# Altium PCB DIOT_Kasli_Adapter.PcbDoc (part 1 of 10) (continued)
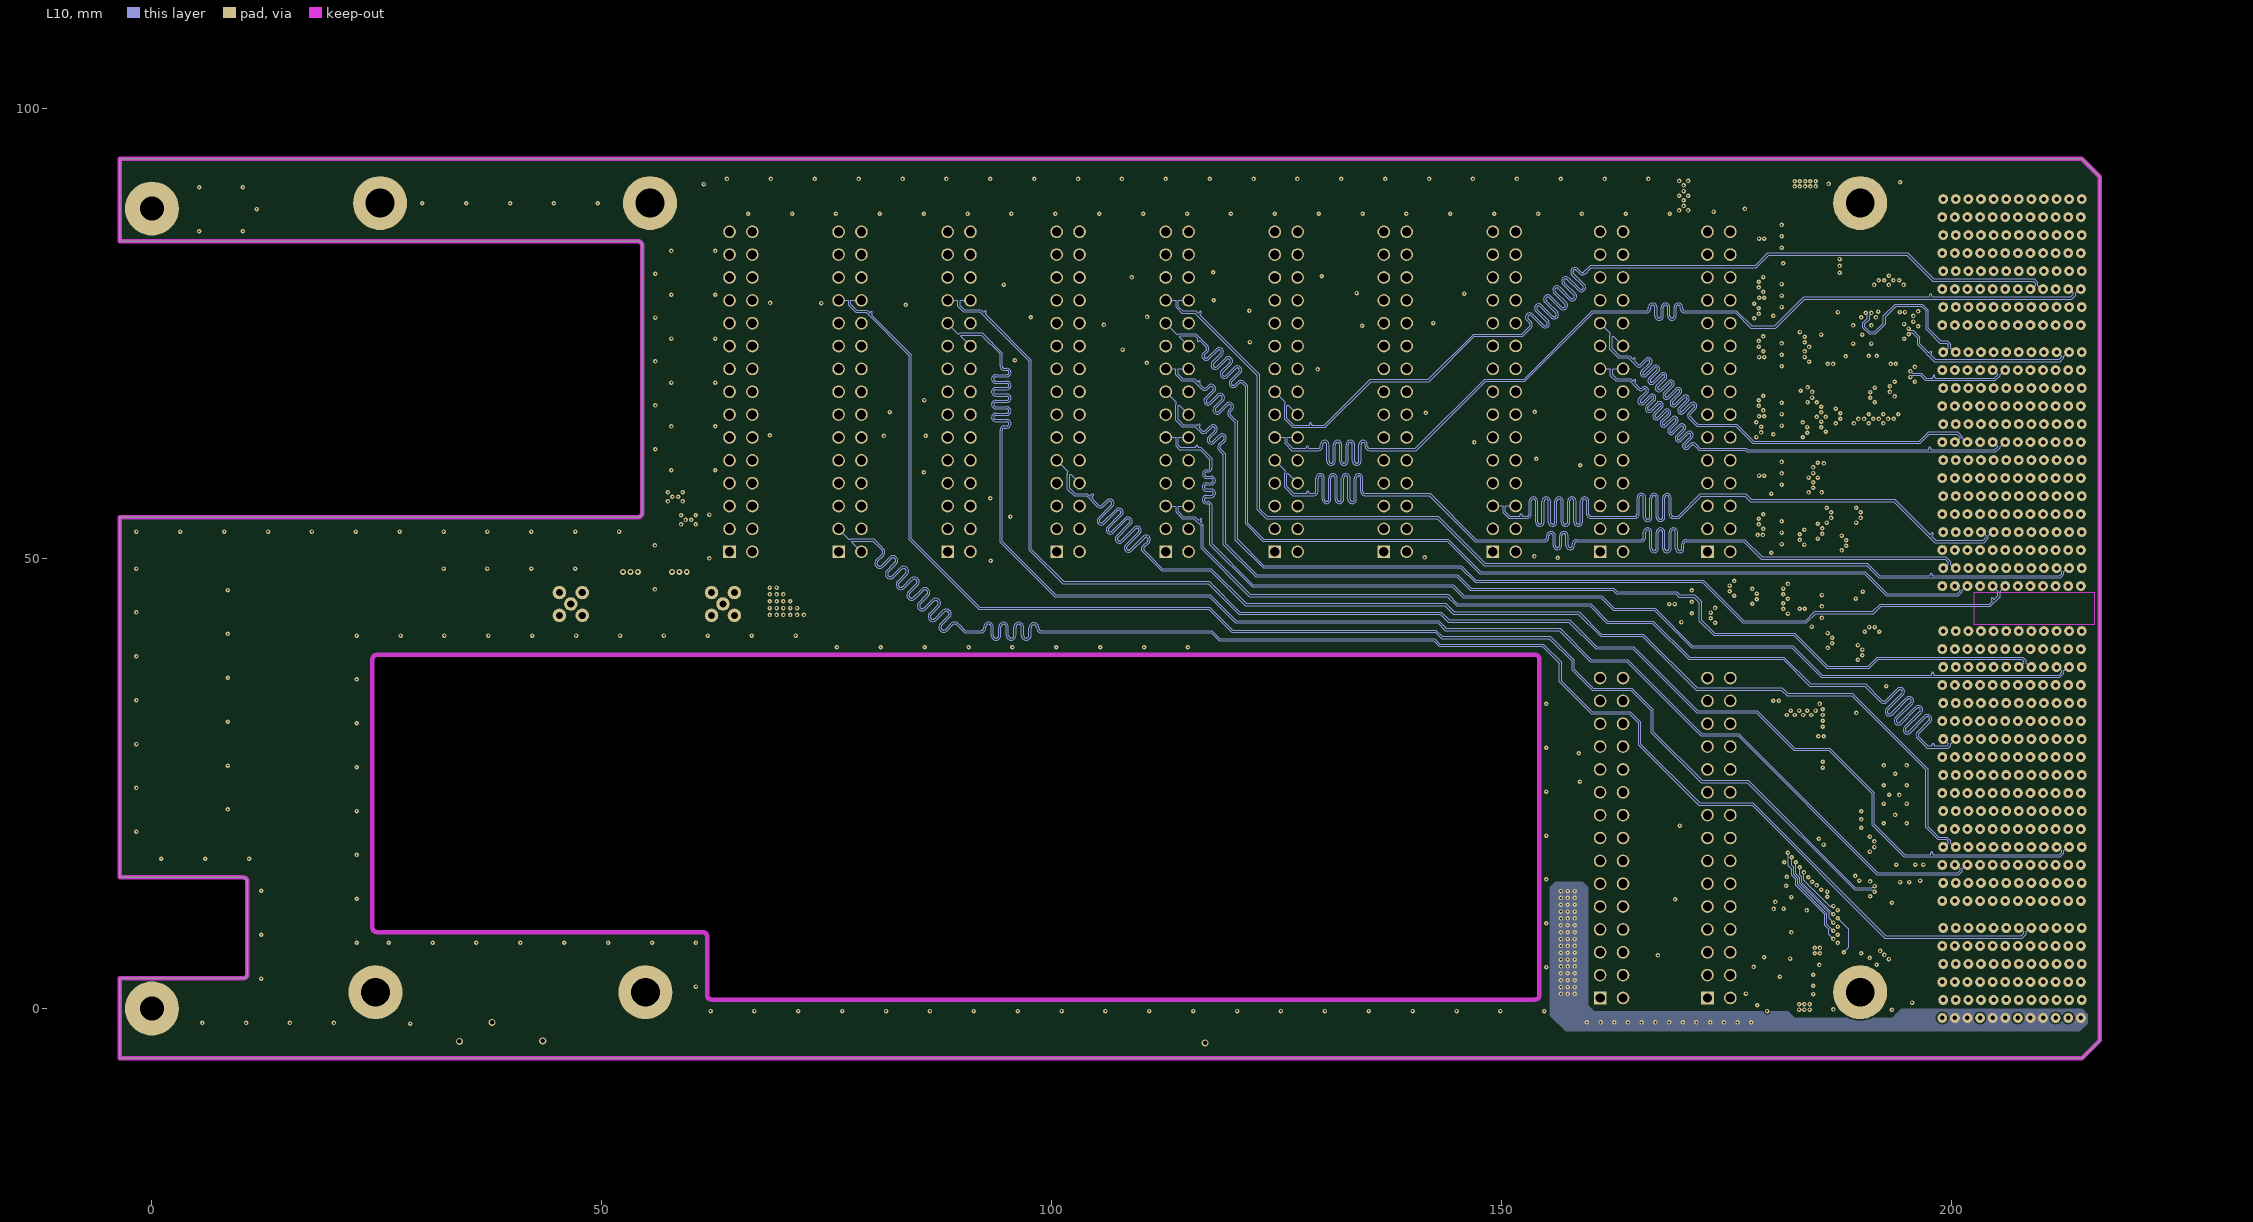
[diagram p10: L10]
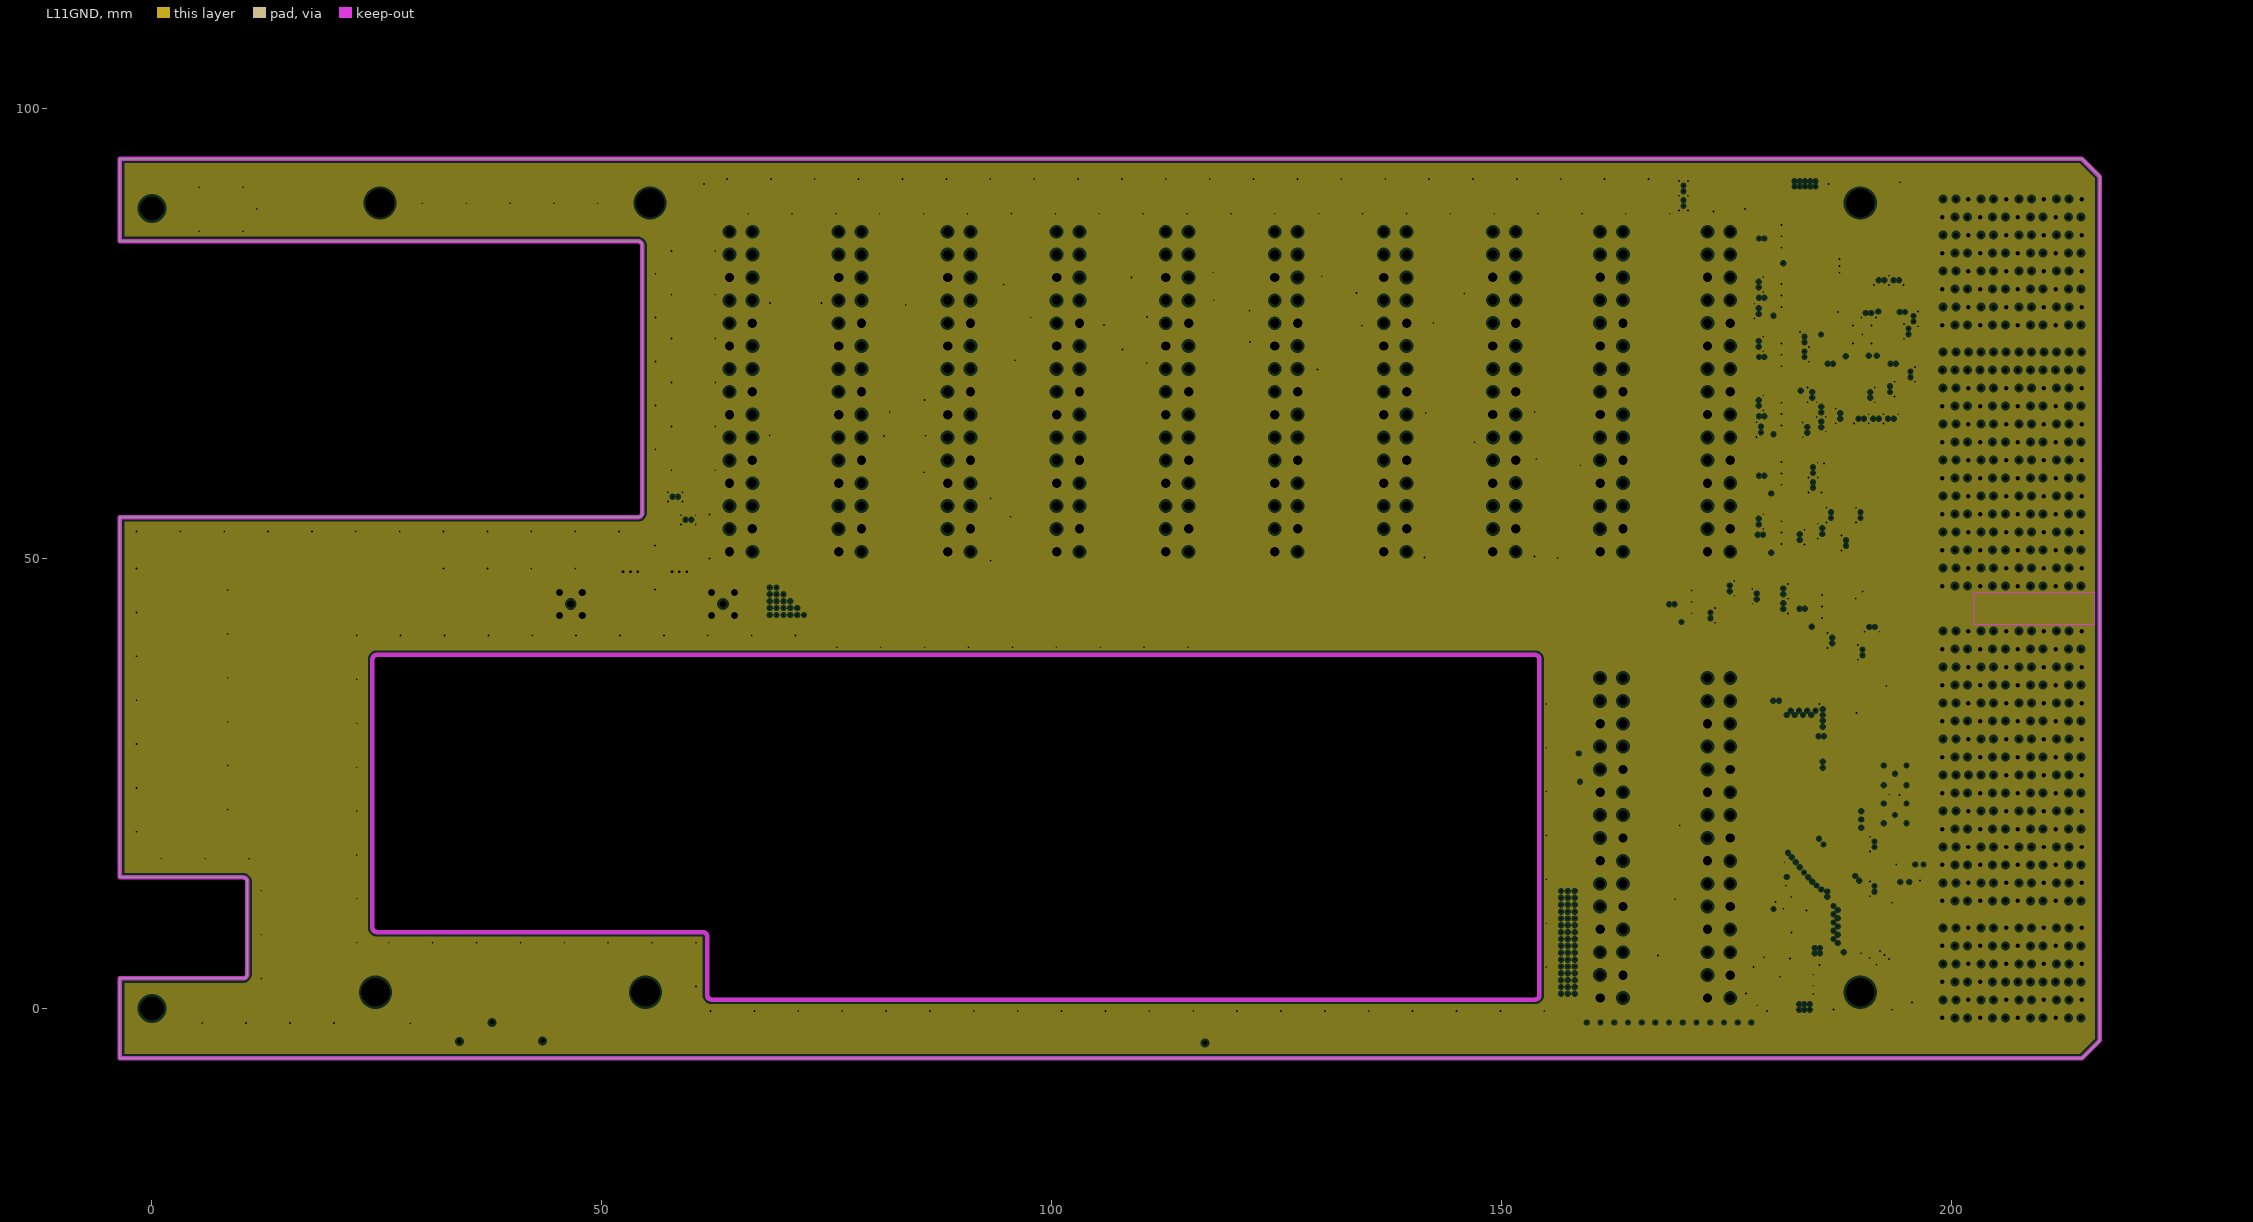
[diagram p11: L11GND, clearances drawn from the general rule]
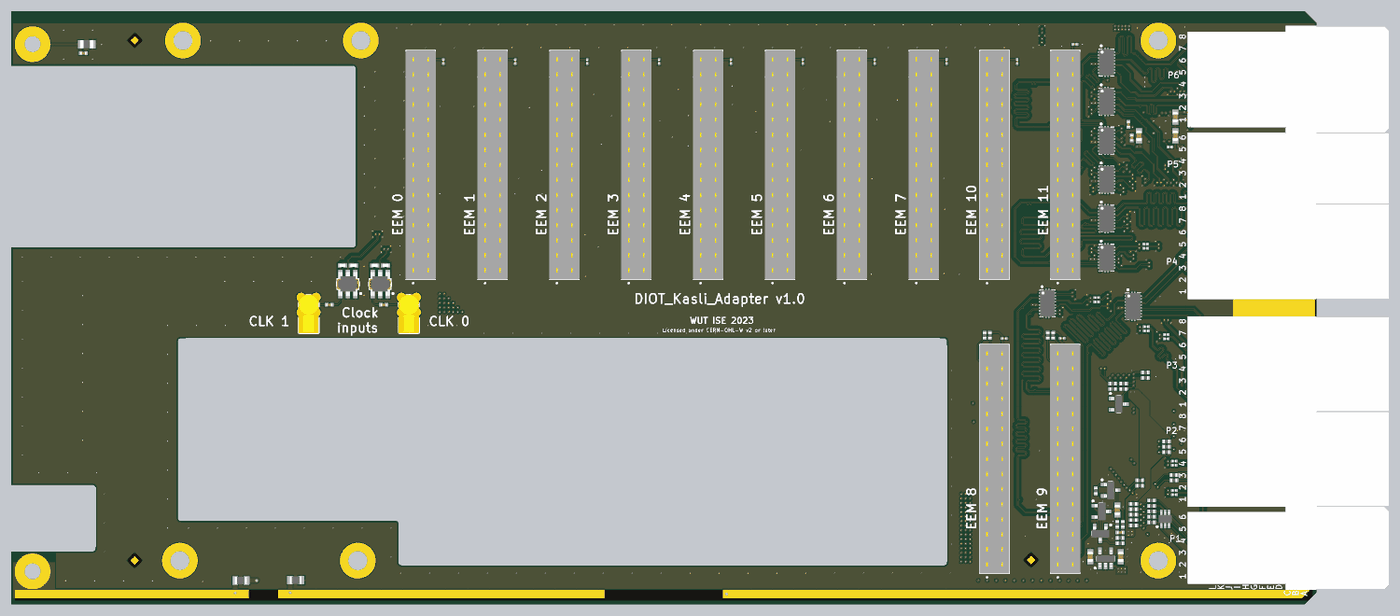
[diagram p21: 3D render of the assembled board from above, using the file's embedded part models]
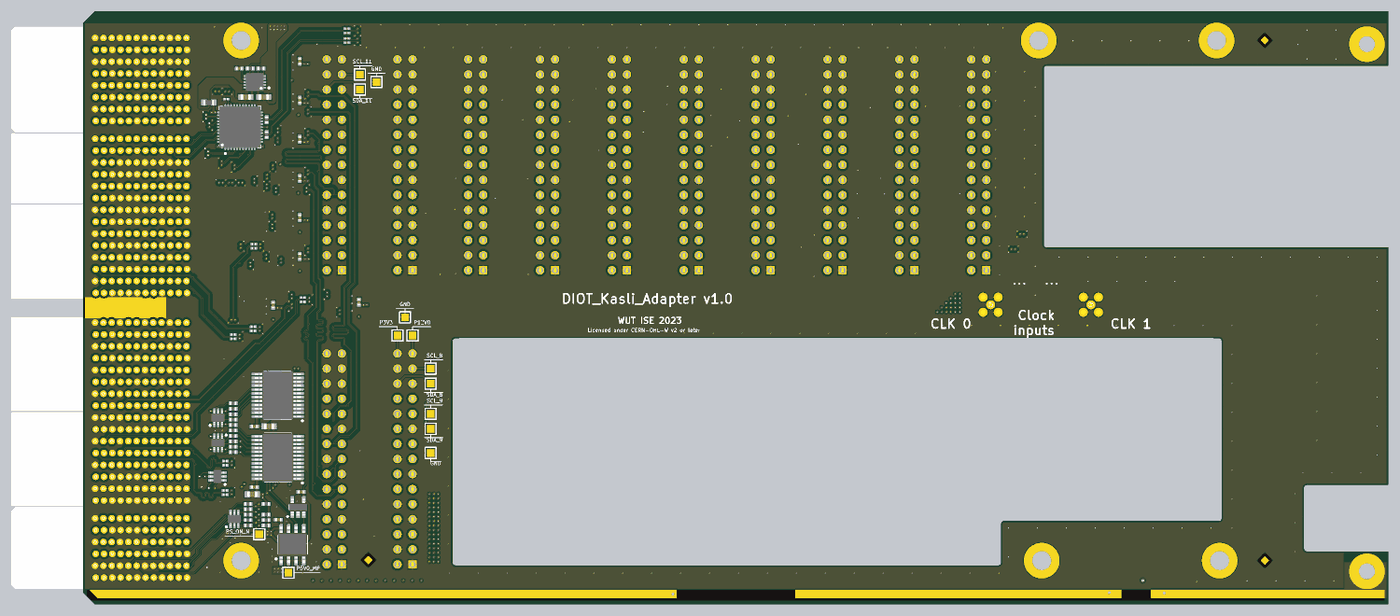
[diagram p22: 3D render of the assembled board from below, using the file's embedded part models]

## Layer stack, top to bottom
Top Solder: solder mask 0.01, Solder Resist, Dk 3.5
Top Layer: signal copper 0.047
Dielectric1: prepreg 0.1118, FR-4, Dk 4.2
L2GND: plane copper 0.018, net GND
Dielectric 2: core 0.1016, FR-4, Dk 4.2
L3: signal copper 0.018
Dielectric 3: prepreg 0.1803, FR-4, Dk 4.2
L4: signal copper 0.018
Dielectric 4: core 0.1016, FR-4, Dk 4.2
L5GND: plane copper 0.018, net GND
Dielectric 5: prepreg 0.1118, FR-4, Dk 4.2
L6: signal copper 0.018
Dielectric 6: core 0.2032, FR-4, Dk 4.2
L7: signal copper 0.018
Dielectric 7: prepreg 0.1118, FR-4, Dk 4.2
L8GND: plane copper 0.018, net GND
Dielectric 8: core 0.1016, FR-4, Dk 4.2
L9: signal copper 0.018
Dielectric 9: prepreg 0.1803, FR-4, Dk 4.2
L10: signal copper 0.018
Dielectric 10: core 0.1016, FR-4, Dk 4.2
L11GND: plane copper 0.018, net GND
Dielectric 11: prepreg 0.1118, FR-4, Dk 4.2
Bottom Layer: signal copper 0.047
Bottom Solder: solder mask 0.01, Solder Resist, Dk 3.5

## Board outline
-3.57,-5.55 -3.57,3.353 10.117,3.353 ccw(c10.117,3.853) 10.617,3.853 10.617,14.061 ccw(c10.117,14.061) 10.117,14.561 -3.57,14.561 -3.57,54.604 54,54.604 ccw(c54,55.104) 54.5,55.104 54.5,84.774 ccw(c54,84.774) 54,85.274 -3.57,85.274 -3.57,94.45 214.469,94.45 216.469,92.45 216.469,-3.55 214.469,-5.55
cut-out: 24.5,9 ccw(c25,9) 25,8.5 61.2,8.5 cw(c61.2,8) 61.7,8 61.7,1.5 ccw(c62.2,1.5) 62.2,1 153.7,1 ccw(c153.7,1.5) 154.2,1.5 154.2,38.8 ccw(c153.7,38.8) 153.7,39.3 25,39.3 ccw(c25,38.8) 24.5,38.8

## Design rules (kind name [scope] priority, off if disabled: settings)
Clearance Clearance_KeepOut [IsKeepOut] p1: gap=0 ignorepadtopadclearanceinfootprint=FALSE
Clearance Clearance_InDiffPair [InAnyDifferentialPair vs InAnyDifferentialPair] p2: gap=0.127 ignorepadtopadclearanceinfootprint=FALSE except(0.102: Arc-Arc Arc-Track Track-Track; 0.178: Arc-THPad Track-THPad; 0.508: Arc-Fill Arc-Poly Arc-Region Track-Fill Track-Poly Track-Region SMDPad-Fill SMDPad-Poly SMDPad-Region THPad-Fill THPad-Poly THPad-Region Via-Fill Via-Poly Via-Region Fill-Fill Fill-Poly Fill-Region Poly-Poly Poly-Region Region-Region)
Clearance Clearance_Diff_Pair [InAnyDifferentialPair] p3: gap=0.203 ignorepadtopadclearanceinfootprint=TRUE except(0.254: SMDPad-Fill SMDPad-Poly SMDPad-Region; 0.381: Arc-Arc Arc-Track Track-Track THPad-Fill THPad-Poly THPad-Region Via-Fill Via-Poly Via-Region Fill-Fill Fill-Poly Fill-Region Poly-Poly Poly-Region Region-Region; 0.508: Arc-Fill Arc-Poly Arc-Region Track-Fill Track-Poly Track-Region)
Clearance Clearance_Poly [InPoly] p4: gap=0.152 ignorepadtopadclearanceinfootprint=FALSE
Clearance [All] p5: gap=0.102 ignorepadtopadclearanceinfootprint=FALSE
ComponentClearance ComponentClearance_pressfit [HasCompParameterValue('PressFit','Yes') vs InComponent('No Component')] p1: gap=5 collisioncheckmode=3 verticalgap=0.254 showdistances=FALSE
ComponentClearance ComponentClearance_NM [InComponentClass('NotMounted')] p2: gap=0 collisioncheckmode=3 verticalgap=0 showdistances=FALSE
ComponentClearance ComponentClearance_Top [not InComponentClass('Overlapping') and InComponentClass('Top Side Components') vs InComponentClass('Top Side Components')] p3: gap=0 collisioncheckmode=3 verticalgap=2540 showdistances=FALSE
ComponentClearance Overlapping [InComponentClass('Overlapping') vs InComponentClass('Overlapping')] p4: gap=0 collisioncheckmode=3 verticalgap=0 showdistances=FALSE
DiffPairsRouting [All] p1: maxlimit=0.152 minlimit=0.102 mostfreqgap=0.152 toplayer_maxgap=0.102 toplayer_prefgap=0.102 toplayer_minwidth=0.089 toplayer_maxwidth=0.089 toplayer_prefwidth=0.089 midlayer1_mingap=0.152 midlayer1_minwidth=0.089 midlayer1_maxwidth=0.089 midlayer1_prefwidth=0.089 midlayer4_mingap=0.152 midlayer4_minwidth=0.089 midlayer4_maxwidth=0.089 midlayer4_prefwidth=0.089 midlayer6_mingap=0.127 midlayer6_maxgap=0.127 midlayer6_prefgap=0.127 midlayer6_minwidth=0.089 midlayer6_maxwidth=0.089 midlayer6_prefwidth=0.089 midlayer7_mingap=0.152 midlayer7_minwidth=0.089 midlayer7_maxwidth=0.089 midlayer7_prefwidth=0.089 midlayer8_mingap=0.127 midlayer8_maxgap=0.127 midlayer8_prefgap=0.127 midlayer8_minwidth=0.089 midlayer8_maxwidth=0.089 midlayer8_prefwidth=0.089 midlayer9_mingap=0.152 midlayer9_minwidth=0.089 midlayer9_maxwidth=0.089 midlayer9_prefwidth=0.089 bottomlayer_maxgap=0.102 bottomlayer_prefgap=0.102 bottomlayer_minwidth=0.089 bottomlayer_maxwidth=0.089 bottomlayer_prefwidth=0.089 impedanceprofiledriven=TRUE impedanceprofileid={EC4A65A9-8C40-4619-829D-19C2DBFB571A} impedanceprofilevalue=100.000000 maxuncoupledlength=50
FabricationTestPointUsage TestPointUsage [All] p1: valid=0 allowmultiple=FALSE
FabricationTestpoint Testpoint [All] p1: side=3 testpointundercomponent=TRUE minsize=1.016 maxsize=2.54 preferedsize=1.524 minholesize=0 maxholesize=1.016 preferedholesize=0.813 testpointgrid=0.025 allowsidetop=TRUE allowsidebottom=TRUE usegrid=TRUE gridtolerance=0
Height [All] p1: minheight=0 maxheight=25 prefheight=10
HoleSize [All] p1: absolutevalues=TRUE maxlimit=5 minlimit=0.2 maxpercent=80.000 minpercent=20.000
HoleToHoleClearance [All] p1: gap=0.2 allowstackedmicrovias=TRUE
Length "Length CPCIs2a + XS" [InNetClass('CPCIs2a') or InxSignalClass('CPCIs2 XS')] p1: maxlimit=126 minlimit=121
Length "Length CPCIs5a + XS" [InNetClass('CPCIs5a')    or InxSignalClass('CPCIs5 XS')] p2: maxlimit=155.1 minlimit=151
MatchedLengths MatchedLengths_InPair [InxSignalClass('All xSignals')] p1: tolerance=0.127 checknetsindiffpair=TRUE checkdiffpairvsdiffpair=FALSE checkxsignals=FALSE checkothers=FALSE
MatchedLengths MatchLengths_xSignals_EXT0 [InxSignalClass('xSignals_EXT0')] p2: tolerance=2.54 checknetsindiffpair=FALSE checkdiffpairvsdiffpair=TRUE checkxsignals=TRUE checkothers=TRUE
MatchedLengths MatchLengths_xSignals_EXT1 [InxSignalClass('xSignals_EXT1')] p3: tolerance=2.54 checknetsindiffpair=FALSE checkdiffpairvsdiffpair=TRUE checkxsignals=TRUE checkothers=TRUE
MatchedLengths MatchLengths_xSignals_EXT2 [InxSignalClass('xSignals_EXT2')] p4: tolerance=2.54 checknetsindiffpair=FALSE checkdiffpairvsdiffpair=TRUE checkxsignals=TRUE checkothers=TRUE
MatchedLengths MatchLengths_xSignals_EXT3 [InxSignalClass('xSignals_EXT3')] p5: tolerance=2.54 checknetsindiffpair=FALSE checkdiffpairvsdiffpair=TRUE checkxsignals=TRUE checkothers=TRUE
MatchedLengths MatchLengths_xSignals_EXT4 [InxSignalClass('xSignals_EXT4')] p6: tolerance=2.54 checknetsindiffpair=FALSE checkdiffpairvsdiffpair=TRUE checkxsignals=TRUE checkothers=TRUE
MatchedLengths MatchLengths_xSignals_EXT5 [InxSignalClass('xSignals_EXT5')] p7: tolerance=2.54 checknetsindiffpair=FALSE checkdiffpairvsdiffpair=TRUE checkxsignals=TRUE checkothers=TRUE
MatchedLengths MatchLengths_xSignals_EXT6 [InxSignalClass('xSignals_EXT6')] p8: tolerance=2.54 checknetsindiffpair=FALSE checkdiffpairvsdiffpair=TRUE checkxsignals=TRUE checkothers=TRUE
MatchedLengths MatchLengths_xSignals_EXT7 [InxSignalClass('xSignals_EXT7')] p9: tolerance=2.54 checknetsindiffpair=FALSE checkdiffpairvsdiffpair=TRUE checkxsignals=TRUE checkothers=TRUE
MatchedLengths MatchLengths_xSignals_EXT8 [InxSignalClass('xSignals_EXT8')] p10: tolerance=2.54 checknetsindiffpair=FALSE checkdiffpairvsdiffpair=TRUE checkxsignals=TRUE checkothers=TRUE
MatchedLengths MatchLengths_xSignals_EXT9 [InxSignalClass('xSignals_EXT9')] p11: tolerance=2.54 checknetsindiffpair=FALSE checkdiffpairvsdiffpair=TRUE checkxsignals=TRUE checkothers=TRUE
MatchedLengths MatchLengths_xSignals_EXT10 [InxSignalClass('xSignals_EXT10')] p12: tolerance=2.54 checknetsindiffpair=FALSE checkdiffpairvsdiffpair=TRUE checkxsignals=TRUE checkothers=TRUE
MatchedLengths MatchLengths_xSignals_EXT11 [InxSignalClass('xSignals_EXT11')] p13: tolerance=2.54 checknetsindiffpair=FALSE checkdiffpairvsdiffpair=TRUE checkxsignals=TRUE checkothers=TRUE
MinimumAnnularRing MinimumAnnularRing_Via [IsVia] p1: minimumring=0.12
MinimumAnnularRing [All] p2: minimumring=0.18
MinimumSolderMaskSliver [IsThruPin vs IsThruPin] p1: minsoldermaskwidth=0
PermittedLayers [All] p1: toplayerpermitted=TRUE bottomlayerpermitted=FALSE
PlaneClearance [All] p1: clearance=0.25
PlaneConnect PlaneConnect_Direct [InComponentClass('Press-fit')] p1: planeconnectstyle=Direct reliefexpansion=0.508 reliefentries=4 reliefconductorwidth=0.254 reliefairgap=0.254
PlaneConnect PlaneConnect_ft_pcbm [InPadClass('ft_pcbm')] p2: planeconnectstyle=Relief reliefexpansion=0.25 reliefentries=4 reliefconductorwidth=0.2 reliefairgap=0.2
PlaneConnect PlaneConnect_Vias [IsVia or InPadClass('Direct')] p3: planeconnectstyle=Direct reliefexpansion=0.508 reliefentries=4 reliefconductorwidth=0.254 reliefairgap=0.254
PlaneConnect "PlaneConnect_0 > 0.5" [AsMM(HoleDiameter)<0.5] p4: planeconnectstyle=Relief reliefexpansion=0.3 reliefentries=4 reliefconductorwidth=0.2 reliefairgap=0.2
PlaneConnect "PlaneConnect_0.5 > 1" [(AsMM(HoleDiameter)>=0.5) and (AsMM(HoleDiameter)<1)] p5: planeconnectstyle=Relief reliefexpansion=0.3 reliefentries=4 reliefconductorwidth=0.25 reliefairgap=0.2
PlaneConnect "PlaneConnect_1 > 1.5" [(AsMM(HoleDiameter)>=1) and (AsMM(HoleDiameter)<1.5)] p6: planeconnectstyle=Relief reliefexpansion=0.3 reliefentries=4 reliefconductorwidth=0.3 reliefairgap=0.2
PlaneConnect "PlaneConnect_1.5 > 2" [(AsMM(HoleDiameter)>=1.5) and (AsMM(HoleDiameter)<2)] p7: planeconnectstyle=Relief reliefexpansion=0.3 reliefentries=4 reliefconductorwidth=0.4 reliefairgap=0.2
PlaneConnect [All] p8: pad.planeconnectstyle=Relief pad.reliefexpansion=0.3 pad.reliefentries=4 pad.reliefconductorwidth=0.5 pad.reliefairgap=0.2 via.planeconnectstyle=Direct via.reliefexpansion=0.3 via.reliefentries=4 via.reliefconductorwidth=0.5 via.reliefairgap=0.2
PolygonConnect PolygonConnect_Direct [InComponentClass('Press-fit')] p1: connectstyle=Direct reliefconductorwidth=0.254 reliefentries=4 polygonreliefangle="90 Angle" airgapwidth=0.254
PolygonConnect PolygonConnect_Vias [IsVia or InPadClass('Direct') or InNetClass('ESD_STRIP')] p2: connectstyle=Direct reliefconductorwidth=0.254 reliefentries=4 polygonreliefangle="90 Angle" airgapwidth=0.254
PolygonConnect "PolygonConnect_0 > 0.5" [AsMM(HoleDiameter)<0.5] p3: connectstyle=Relief reliefconductorwidth=0.2 reliefentries=4 polygonreliefangle="90 Angle" airgapwidth=0.2
PolygonConnect "PolygonConnect_0.5 > 1" [(AsMM(HoleDiameter)>=0.5) and (AsMM(HoleDiameter)<1)] p4: connectstyle=Relief reliefconductorwidth=0.25 reliefentries=4 polygonreliefangle="90 Angle" airgapwidth=0.2
PolygonConnect "PolygonConnect_1 > 1.5" [(AsMM(HoleDiameter)>=1) and (AsMM(HoleDiameter)<1.5)] p5: connectstyle=Relief reliefconductorwidth=0.3 reliefentries=4 polygonreliefangle="90 Angle" airgapwidth=0.2
PolygonConnect "PolygonConnect_1.5 > 2" [(AsMM(HoleDiameter)>=1.5) and (AsMM(HoleDiameter)<2)] p6: connectstyle=Relief reliefconductorwidth=0.4 reliefentries=4 polygonreliefangle="90 Angle" airgapwidth=0.2
PolygonConnect [All] p7: thpad.connectstyle=Relief thpad.reliefconductorwidth=0.5 thpad.reliefentries=4 thpad.polygonreliefangle="90 Angle" thpad.airgapwidth=0.2 smdpad.connectstyle=Relief smdpad.reliefconductorwidth=0.2 smdpad.reliefentries=4 smdpad.polygonreliefangle="90 Angle" smdpad.airgapwidth=0.2 via.connectstyle=Direct via.reliefconductorwidth=0.5 via.reliefentries=4 via.polygonreliefangle="90 Angle" via.airgapwidth=0.2
RoomDefinition DIOT_Kasli_Adapter [InComponentClass('DIOT_Kasli_Adapter')] p1: confinementstyle=ConfineIn formatcopy=TRUE lockcomponents=FALSE outline -3.277,-3.271 183.184,-3.271 183.184,92.157 -3.277,92.157
RoomDefinition U_MUX_EEM_EXT [InComponentClass('U_MUX_EEM_EXT')] p2: confinementstyle=ConfineIn formatcopy=TRUE lockcomponents=FALSE outline 169.138,41.687 187.578,41.687 187.578,89.134 169.138,89.134
RoomDefinition U_DIO_logic [InComponentClass('U_DIO_logic')] p3: confinementstyle=ConfineIn formatcopy=TRUE lockcomponents=FALSE outline 159.74,-0.223 192.404,-0.223 192.404,41.001 159.74,41.001
RoomDefinition U_Cpcis_connectors_P1_P2_P3 [InComponentClass('U_Cpcis_connectors_P1_P2_P3')] p4: confinementstyle=ConfineIn formatcopy=TRUE lockcomponents=FALSE outline 170.383,-4.668 229.26,-4.668 229.26,44.202 170.383,44.202
RoomDefinition CLK_DIST [InComponentClass('CLK_DIST')] p5: confinementstyle=ConfineIn formatcopy=TRUE lockcomponents=FALSE outline 44.119,26.168 197.154,26.168 197.154,92.157 44.119,92.157
RoomDefinition U_Cpcis_connectors_P4_P5_P6 [InComponentClass('U_Cpcis_connectors_P4_P5_P6')] p6: confinementstyle=ConfineIn formatcopy=TRUE lockcomponents=FALSE outline 178.434,38.563 229.26,38.563 229.26,92.259 178.434,92.259
RoomDefinition U_IDC_EXT_Connectors [InComponentClass('U_IDC_EXT_Connectors')] p7: confinementstyle=ConfineIn formatcopy=TRUE lockcomponents=FALSE outline 62.433,-1.467 177.164,-1.467 177.164,89.515 62.433,89.515
RoutingVias [All] p1: holewidth=0.3 width=0.6 viastyle="Through Hole" minholewidth=0.2 minwidth=0.5 maxholewidth=0.5 maxwidth=1
ShortCircuit ShortCircuit_NT [InComponent('J34') or  InComponent('J31') or InComponent('J30') or InComponent('J29') or InComponent('J33') or InComponent('J26') vs InComponent('NT*')] p1: allowed=TRUE
ShortCircuit [All] p2: allowed=FALSE
SilkToSilkClearance [All] p1: silktosilkclearance=0.05
SilkToSolderMaskClearance [IsPad] p1: minsilkscreentomaskgap=0.08 clearancetoexposedcopper=TRUE
SolderMaskExpansion SolderMaskExpansion_Via [Isvia] p1: expansion=0 istentingtop=TRUE
SolderMaskExpansion [All] p2: expansion=0 istentingtop=FALSE
ViasUnderSMD ViasUnderSMD_ThermalPads [HasFootprint ('TEXAS_RKS0020A')   or  HasFootprint ('QFN50P700X700X90-45N-S295')  or  HasFootprint('SON50P300X300X80-11N-R175X248')   or  HasFootprint('Net Tie')] p1: allowed=TRUE
ViasUnderSMD [All] p2: allowed=FALSE
Width Width_50R [InNetClass('CLK')] p1: maxlimit=0.178 minlimit=0.109 preferedwidth=0.127 toplayer_minwidth=0.178 toplayer_prefwidth=0.178 midlayer1_maxwidth=0.109 midlayer1_prefwidth=0.109 midlayer4_maxwidth=0.109 midlayer4_prefwidth=0.109 midlayer6_minwidth=0.127 midlayer6_maxwidth=0.127 midlayer7_maxwidth=0.109 midlayer7_prefwidth=0.109 midlayer8_minwidth=0.127 midlayer8_maxwidth=0.127 midlayer9_maxwidth=0.109 midlayer9_prefwidth=0.109 bottomlayer_minwidth=0.178 bottomlayer_prefwidth=0.178 impedanceprofiledriven=TRUE impedanceprofileid={E3ACCB57-1473-4B2E-A579-F3B133C01D6D} impedanceprofilevalue=50.000000 minimp=50.000000 maximp=50.000000 favimp=50.000000
Width [All] p2: maxlimit=2.54 minlimit=0.102 preferedwidth=0.127
17 further rules are at their usual default settings.
